# Altium PCB GN-1846-A-V2.PcbDoc (part 3 of 4) (continued)
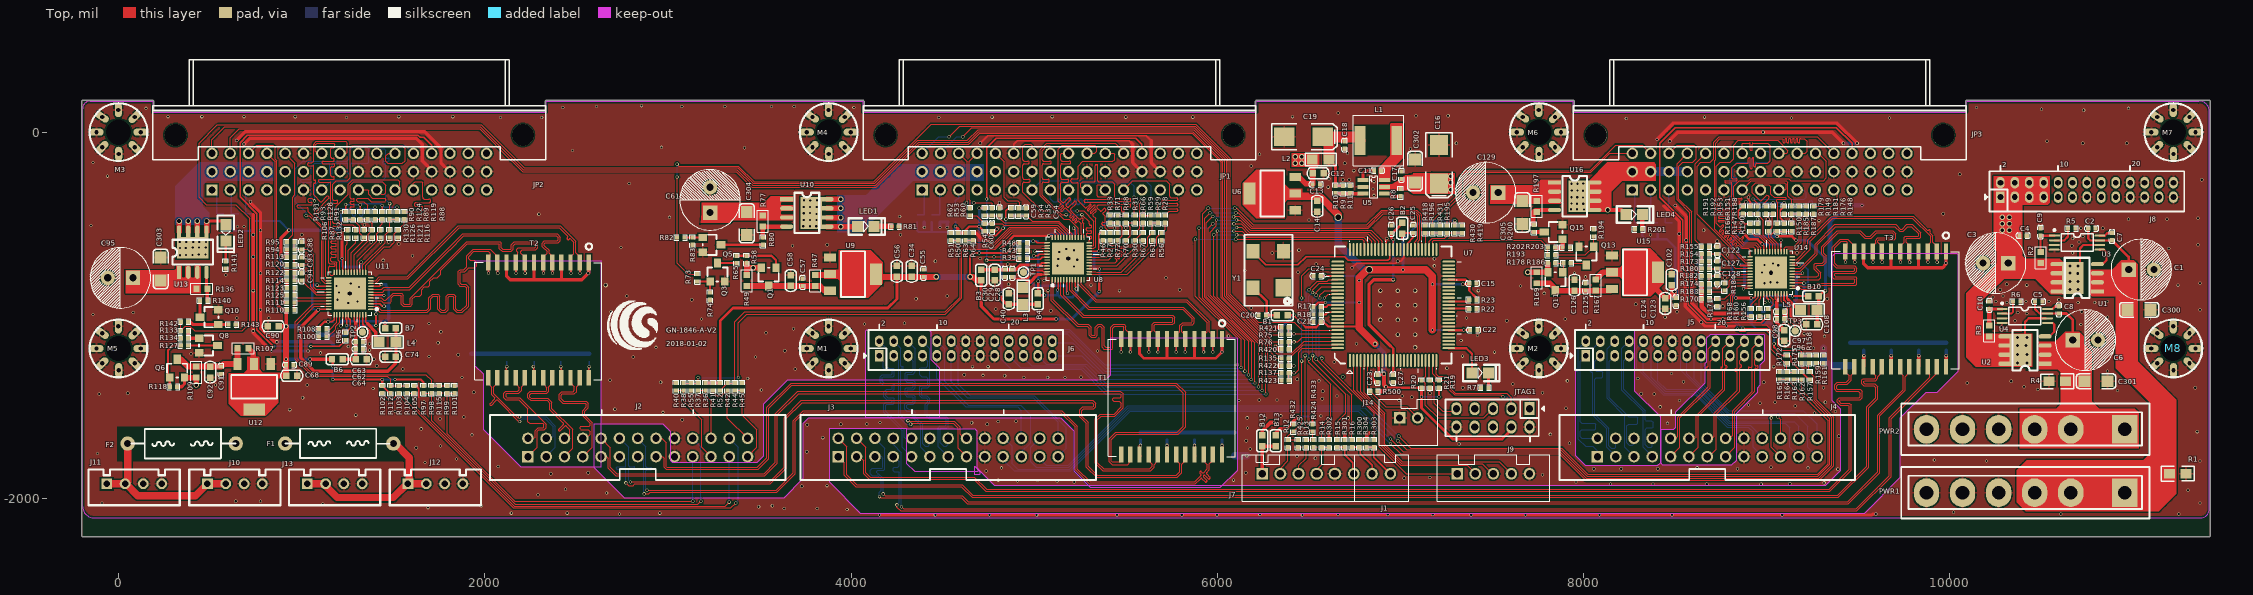
[diagram p0: Top view]
## Nets (pads, with @x,y where several pads share a name; then routed paths per layer and width w, separated by ;. In a path a pad name is that pad's centre, name@x,y a point inside that pad or via, vN(x,y) a via of type N, cw(c..) or ccw(c..) an arc to the next point about the centre after c; other vN are vias at no path point) (continued)
  Bottom w18: v1(835,-1195) v1(1035,-1195) ; v1(864,-1145) 1155.47,-1145 C77.2@1175,-1164.53 ; v1(4400,-520) R406.2@4400,-490 ; v1(4485,-520) R407.2@4485,-490 R408.2@4530,-490 4525,-495 v1(4525,-520) ; v1(9418.15,-60.84) v1(9493.15,-60.84)
  Bottom w25: 9345,-780 9345,-490 9435,-400 v1(9520,-400) ; 10116.1,-780 C3.2@10181.1,-715
  Bottom w40: C47.2@6095,-1766 v1(6160,-1766) ; v1(9310,-1180) 9310,-1245 9341,-1276 C121.2@9455,-1276
  other v1: 4460,-2089 4756,-2089 5013,-2089 5452,-2089 5805,-2089 5998,-2089 7386,-2089 7682,-2089 8087,-2089 8482,-2089 9084,-2089 6232,-2087.85 6659,-2088 6930,-2087.85 7176,-2087.85 2735,-2085 10605,-2085 11250,-2085 2145,-2080 2450,-2080 2955,-2080 10020,-2075 3978.15,-2060 3635,-2055 3815,-2055 1690,-2050 3495,-2045 1980,-2040 3570,-2040 1115,-2030 -90,-2025 11365,-2025 640,-2015 775,-2015 2290,-1980 2665,-1970 11300,-1955 2440,-1950 3730,-1932.85 3868.15,-1930 8672,-1921.85 8969,-1921.85 8147,-1921 8379,-1920.85 9125,-1919.85 9313.15,-1915 5218.15,-1910 7958.15,-1910 4908.15,-1904 5125,-1902.85 5018.15,-1902 4803.15,-1900 6088.15,-1900 7020,-1890 7160,-1885 7775,-1870 2360,-1865 2565,-1860 6155,-1860 4738.15,-1850 9388.15,-1840 8055,-1837.85 8205,-1837.85 8405,-1837.85 8840,-1837.85 4821,-1832.85 8620,-1832.85 9225,-1832.85 9023.15,-1830 2073.15,-1825 1673.15,-1804 10200,-1795 11365,-1795 9915,-1790 1845,-1785 6535,-1780 6435,-1770 -115,-1755 3758.15,-1745 6180,-1730 1626,-1722.85 1758.15,-1713 7320,-1702.85 7923.15,-1698 6158.15,-1685 3845,-1667.85 9393.15,-1660 1930,-1652.85 7818.15,-1650 11350,-1635 1653.15,-1620 6165,-1615 3760,-1597.85 3943.15,-1595 4743.15,-1595 4085,-1592.85 8458.15,-1590 4658.15,-1587 4158.15,-1585 4803.15,-1580 4900,-1577.85 3078.15,-1570 1755,-1565 6163.15,-1560 6258.15,-1560 6715,-1560 1885,-1555 6565,-1550 6346,-1549 1295,-1545 9260,-1535 2973.15,-1530 1510,-1525 9375,-1525 935,-1515 2710,-1512.85 7903.15,-1507 8418.15,-1500 9155,-1495 8900,-1490 8963.15,-1480 9045,-1475 9320,-1475 1668.15,-1470 1755,-1470 6118.15,-1465 8523.15,-1465 6993.15,-1464 6325,-1462.85 6228.15,-1462 6573.15,-1455 1005,-1450 7061,-1447.85 3125,-1440 6653.15,-1440 7010,-1440 -105,-1430 8385,-1430 8314.46,-1427.85 50,-1425 7775,-1422.85 1940,-1420 6575,-1415 10915,-1410 3510,-1407.85 10480,-1405 1390,-1400 7340,-1395 9310,-1395 11340,-1395 10405,-1390 530,-1380 1030,-1380 7613.15,-1375 7015,-1370 10095,-1370 2960,-1365 8983.15,-1365 8545,-1362.85 10335,-1360 6555,-1357.85 7911,-1357.85 2683.15,-1355 7063.15,-1355 6436,-1349 3435,-1345 8295,-1345 1875,-1340 4943.15,-1340 5073.15,-1340 5168.15,-1340 5255,-1337.85 4838.15,-1330 4720,-1327.85 4618.15,-1325 8480,-1317.85 7003.15,-1310 10860,-1305 1552,-1292.85 3695,-1292.85 7253.15,-1289 4663.15,-1280 4748.15,-1280 9038.15,-1280 1410,-1275 6638.15,-1255 9161.5,-1247.85 10840,-1245 1395,-1240 2810,-1227.85 3478.15,-1227 1695,-1225 7338,-1222.85 1855,-1215 395,-1210 1103.15,-1205 7513.15,-1201 5345,-1195 3638.15,-1193 1370,-1190 9255,-1180 2935,-1175 1255,-1170 9100,-1170 3160,-1165 1370,-1155 6760,-1155 1745,-1150 1620,-1140 7331,-1137.85 9315,-1115 6060,-1112.85 7420,-1110 9205,-1100 3535,-1095 1760,-1090 3685,-1072.85 10280,-1065 10715,-1050 4073.15,-1047 1695,-1045 9110,-1045 4291,-1042.85 7580,-1030 10355,-1030 10805,-1025 3183.15,-1020 7900,-1020 11090,-1020 645,-1015 820,-1015 7360,-1015 8445,-1010 10860,-1010 -140,-995 10420,-990 80,-985 10370,-985 2690,-980 8510,-980 10720,-980 5090,-975 11365,-970 4790,-965 6185,-960 8700,-950 8760,-950 8285,-940 1254,-932.85 10310,-930 10700,-930 10790,-930 1305,-925 10250,-925 10415,-925 10540,-925 10860,-925 1195,-915 3130,-915 10595,-915 4355,-910 9330,-910 10235,-900 2775,-895 4525,-895 10290,-895 7785,-880 1203.15,-876 5075,-865 5465,-865 7425,-865 5795,-860 10275,-860 4775,-850 1313.15,-845 8730,-845 1190,-840 7655,-840 5310,-835 10420,-835 11245,-835 4860,-830 10310,-830 1268.15,-826 8987.55,-825 11365,-825 9057.55,-820 9020.4,-819 5055,-810 5720,-795 8770,-795 8010,-790 585,-780 1025,-770 7950,-770 8974.55,-766.85 -145,-765 6440,-765 6150,-755 5216.85,-734.16 8765,-730 5126.85,-729.16 9062.55,-726.85 8987.55,-725 4855,-720 6540,-720 9033.55,-716.85 4460,-705 1445,-700 5235,-696.16 5130.85,-692.01 4705,-690 1025,-685 4780,-680 1605,-675 8785,-670 6300,-660 10670,-660 9165,-657.85 5136.85,-654.16 6445,-645 5216.85,-644.16 5175,-638.16 11195,-635 2743.15,-630 3680,-620 5590,-620 5695,-620 10665,-620 3870,-615 5645,-615 11355,-615 1530,-610 11045,-605 -65,-600 1380,-600 1430,-600 1475,-600 10705,-600 8730,-595 6925,-580 10670,-580 10725,-570 1000,-560 4270,-560 8365,-560 8655,-535 5438.15,-525 10715,-525 10835,-525 5500,-522.85 650,-515 685,-515 -150,-510 1343.15,-505 9285,-482.85 6500,-480 7070,-480 9133.15,-475 10975,-475 11185,-475 11355,-470 3008.15,-465 4265,-460 2295,-447.85 9963.15,-445 6855,-345 6850,-310 6605,-300 2788.15,-280 6855,-270 6685,-260 6720,-260 11375,-260 6610,-255 -60,-240 10053.15,-230 6745,-210 7010,-190 6185,-185 6695,-170 -140,-165 6230,-120 6710,-115 2478.15,-100 7055,-90 3418.15,-85 2965,-82.85 7305,-60 10725,-60 10965,-60 10530,-50 8233.15,75 9135,77.15 9670,77.15 1245,80 2085,80 2310,80 4478.15,80 4770,82.15 5500,82.15 5865,82.15 8660,82.15 270,85 455,85 685,85 965,85 1530,85 1825,85 5098.15,85 6410,85 7085,90 7260,90 6660,105 10730,120 10500,125 150,130 10975,130 2425,135 4015,135 10145,135 2610,140 3075,140 3310,140 3565,140 3690,140 2855,145
  other v2: 7080,-1175 6985,-1105 7080,-1105 6890,-1025 6985,-1025 7080,-1025 6890,-945 6985,-945 7080,-945 6890,-865 7080,-865 2660,-835
  other v5: 6985,-865
IO1: J1.4 J7.4 R14.2 R302.2 | length 195.4
  Top w6: J1.4@6545,-1865 6545,-1840 6570,-1815 R14.2@6570,-1720 R302.2@6610,-1720
IO2: J1.6 R15.2 R301.2 | length 205.7
  Top w8: R15.2@6655,-1720 R301.2@6695,-1720 6695,-1760 6740,-1805 6740,-1860 J1.6@6745,-1865
IO3: J1.7 R16.2 R300.2 | length 216.9
  Top w8: R16.2@6735,-1720 6780,-1720 6780,-1755 6845,-1820 J1.7@6845,-1865
MAC_MDC: C59.2 R53.1 R60.2 U8.30 | length 531.4
  Top w5: R53.1@4730,-455 C59.2@4810,-455 4810,-470 4835,-495 5130,-495 5192.87,-557.87 U8.30@5192.87,-575.04
MAC_MDIO: C60.2 R54.1 R62.2 U8.31 | length 587.3
  Top w5: R62.2@4650,-455 4685,-455 R54.1@4730,-500 4825,-500 4833.5,-508.5 5128.5,-508.5 5177.13,-557.13 U8.31@5177.13,-575.04
NetB3_1: B3.1 C28.1 C29.1 C30.1 U8.44 U8.45 | length 443
  Top w10: U8.45@5070.04,-729.37 5034.37,-729.37 5030,-725 5040,-715 5040,-713.62 U8.44@5070.04,-713.62
  Top w18: B3.1@4710,-750.47 4810,-750.47 ; C30.1@4785,-750.47 4810,-750.47 ; 5030,-725 4925,-725 4899.53,-750.47 4810,-750.47
NetB4_2: B4.2 C38.1 C39.1 C40.1 L3.1 U8.28 U8.36 | length 1041.9
  Top w8: v1(5080,-565) 5098.39,-565 U8.36@5098.39,-575.04 ; v1(5215,-525) 5224.37,-534.37 U8.28@5224.37,-575.04
  Top w15: v1(4820,-885) 4820,-910 4849.53,-939.53 C40.1@4860,-939.53 ; v1(4820,-635) 4890,-565 v1(5080,-565)
  Top w18: C40.1@4860,-939.53 B4.2@5020,-939.53
  Bottom w15: v1(4820,-885) v1(4820,-635) ; v1(5080,-565) 5090,-555 C38.1@5110,-555 C39.1@5225,-555 5225,-535 v1(5215,-525)
NetB6_1: B6.1 C62.1 C63.1 C64.1 U11.44 U11.45 | length 368.6
  Top w8: U11.44@1286.77,-995.8 1286.77,-1031.77 1295,-1040 ; 1295,-1042.52 1302.52,-1035 U11.45@1302.52,-995.8
  Top w18: B6.1@1224.53,-1240 C64.1@1295.47,-1240 1295,-1239.53 1295,-1042.52 1295,-1040
NetB7_2: B7.2 C72.1 C73.1 C74.1 L4.1 U11.28 U11.36 | length 1373.3
  Top w8: v1(1090,-970) 1092.55,-967.45 U11.36@1148.19,-967.45
  Top w10: v1(1085,-835) 1091.47,-841.47 U11.28@1148.19,-841.47
  Top w18: v1(1090,-970) 995,-1065 995,-1232.52 1067.48,-1305 1470,-1305 1514.53,-1260.47 C74.1@1514.53,-1225 ; C74.1@1514.53,-1220 1515,-1219.53 L4.1@1515,-1145 1514.53,-1144.53 B7.2@1514.53,-1070
  Bottom w8: C72.1@1057.68,-965.84 1058.52,-965 1065,-965 1070,-970 v1(1090,-970)
  Bottom w10: C73.1@1057.68,-835.84 C73.1@1058.52,-835
  Bottom w15: C72.1@1057.68,-965.84 C73.1@1057.68,-835.84
  Bottom w16: C73.1@1058.52,-835 v1(1085,-835)
NetB9_1: B9.1 C96.1 C97.1 C98.1 U14.44 U14.45 | length 423
  Top w10: U14.44@9047.01,-881.81 9047.5,-882.3 9047.5,-910.49 9062.76,-925.75 U14.45@9062.76,-881.81
  Top w18: v1(9055,-1080) C98.1@9094.53,-1080 ; C97.1@9055,-980 9055,-960 ; 9055,-925 9055,-960 ; C98.1@9095,-1080.47 C98.1@9094.53,-1080 ; 9055,-960 C96.1@9055,-1020 9055,-1040.47 C98.1@9094.53,-1080
  Bottom w18: B9.1@8974.53,-1040 9015,-1040 v1(9055,-1080)
NetB10_2: B10.2 C106.1 C107.1 C108.1 L5.1 U14.28 U14.36 | length 1267
  Top w8: v1@8872.55,-853.46 U14.36@8908.43,-853.46
  Top w10: 8855.03,-727.48 U14.28@8908.43,-727.48
  Top w15: v1(9056.5,-570) 9058,-568.5 9138.5,-568.5 v1(9160,-590) ; B10.2@9290,-895 B10.2@9284.53,-895 9314.53,-865 v1(9320,-865)
  Top w18: C108.1@9274.53,-1050 9275,-1049.53 L5.1@9275,-970 ; L5.1@9282.5,-977.5 9284.53,-975.47 B10.2@9284.53,-905
  Bottom w10: v1(8847.55,-720) 8868.02,-720 C106.1@8878.02,-730
  Bottom w15: v1(8847.55,-720) 8847.55,-637.45 8915,-570 v1(9056.5,-570) ; v1(8872.55,-855) 8878.02,-849.53 C106.1@8878.02,-730 ; v1(9160,-590) 9220,-590 9320,-690 v1(9320,-865)
NetB12_1: B12.1 B13.1 J1.1 J7.1 | length 225.5
  Top w20: J1.1@6245,-1865 B12.1@6245,-1714.53 B13.1@6320,-1714.53
NetC7_2: C7.2 U3.8 | length 73
  Top w12: U3.8@10818.26,-565.05 10844.95,-565.05 10860,-550 C7.2@10885,-550
NetC8_2: C8.2 U4.8 | length 68
  Top w12: U4.8@10533.26,-965.05 10559.95,-965.05 10575,-950 C8.2@10595,-950
NetC9_1: C9.1 R2.2 U3.1 | length 165.3
  Top w12: R2.2@10495,-655 C9.1@10495,-565 C9.1@10495,-565 U3.1@10570.23,-565.05
NetC10_1: C10.1 R3.2 U4.1 | length 160.2
  Top w15: C10.1@10215,-965 U4.1@10285.23,-965.05
  Top w24: R3.2@10215,-1055 C10.1@10215,-965
NetC11_1: C11.1 U5.1 | length 102.2
  Top w18: U5.1@6794.6,-260.78 6794.6,-225.4 6810,-210 C11.1@6855,-210
NetC11_2: C11.2 L1.1 U5.6 | length 322
  Top w5: L1.1@6988.18,-63.18 6988.18,11.73 L1.1@6988.56,12.11
  Top w24: C11.2@6895,-215 6895,-260 U5.6@6895.78,-260.78 ; C11.2@6895,-210 6979.9,-125.1 L1.1@6979.9,-44.71
NetC18_1: C18.1 C19.1 L1.2 L2.1 R9.1 R10.1 | length 560.4
  Top w5: L1.2@6763.66,-23.18 6798.95,12.11 L1.2@6787.77,12.11
  Top w15: L2.1@6610,-150 6645.51,-185.51 R10.1@6645.51,-292.35 R9.1@6685.51,-292.35
  Top w60: L2.1@6610,-150 6610,-25 6759.41,-25 L1.2@6779.12,-44.71
NetC44_1: C44.1 T1.1 T1.4 T1.7 T1.10 | length 859.7
  Top w15: T1.10@5575,-1140.04 5575,-1210 5600,-1235 5725,-1235 ; T1.7@5725,-1140.04 5725,-1235 ; T1.4@5875,-1140.04 5875,-1235 ; T1.1@6025,-1140.04 v1(6025,-1200) 5990,-1235 5875,-1235 ; 5725,-1235 5875,-1235
  Bottom w15: v1(6025,-1200) C44.1@6025,-1135
NetC47_1: C47.1 R24.2 R25.2 R26.2 R32.2 | length 515
  Bottom w24: R24.2@5580,-1640 C47.1@6095,-1640
NetC54_2: C54.2 R34.2 R35.2 U8.29 | length 388
  Top w5: R34.2@4880,-455 4960,-455 4990,-485 5135,-485 5208.62,-558.62 U8.29@5208.62,-575.04
NetC86_1: C86.1 T2.1 T2.4 T2.7 T2.10 | length 844.5
  Top w18: T2.10@2118.15,-710.88 2118.15,-785 2138.15,-805 2268.15,-805 ; T2.7@2268.15,-710.88 2268.15,-805 ; T2.4@2418.15,-710.88 2418.15,-805 ; T2.1@2568.15,-710.88 2568.15,-766.85 v1(2565,-770) 2530,-805 2418.15,-805 ; 2268.15,-805 2418.15,-805
  Bottom w18: v1(2565,-770) 2570,-765 C86.1@2570,-720
NetC87_1: C87.1 R84.2 R85.2 R86.2 R92.2 | length 645
  Bottom w24: C87.1@1925,-1210 R92.2@2570,-1210
NetC88_2: C88.2 R94.2 R95.2 U11.29 | length 421.2
  Top w5: R95.2@960,-600 R94.2@960,-640 C88.2@1000,-640 1035,-640 1065,-670 1065,-845.86 1076.36,-857.22 U11.29@1148.19,-857.22
NetC112_1: C112.1 T3.1 T3.4 T3.7 T3.10 | length 821.3
  Top w18: T3.10@9528.15,-650.88 9528.15,-718.15 9550,-740 9678.15,-740 ; T3.7@9678.15,-650.88 9678.15,-740 ; T3.4@9828.15,-650.88 9828.15,-740 ; v1(9977.7,-714.08) v1@9977.7,-722.3 ; T3.1@9978.15,-650.88 9978.15,-721.85 v1@9977.7,-722.3 ; 9678.15,-740 9828.15,-740 ; 9828.15,-740 9960,-740 v1@9977.7,-722.3
  Bottom w18: v1(9977.7,-714.08) 9977.7,-687.3 C112.1@9980,-685
NetC121_1: C121.1 R144.2 R145.2 R146.2 R152.2 | length 525
  Bottom w25: C121.1@9455,-1150 R152.2@9980,-1150
NetC122_2: C122.2 R154.2 R155.2 U14.29 | length 295.8
  Top w5: R155.2@8685,-625 R154.2@8685,-665 C122.2@8730,-665 8750,-665 8828.23,-743.23 U14.29@8908.43,-743.23
NetF1_2: F1.2 J12.1 J12.2 J13.1 J13.2 | length 961.8
  Top w40: J13.1@1045.3,-1919.72 J13.2@1130.3,-1919.72 1130.3,-1930.3 1195,-1995 1500,-1995 1567.78,-1927.22 1580.3,-1927.22 J12.1@1587.8,-1927.22 ; F1.2@1500.55,-1700 1510,-1700 1587.8,-1777.8 J12.1@1587.8,-1912.22 ; J12.1@1580.3,-1919.72 J12.2@1680.3,-1919.72
NetF2_2: F2.2 J10.1 J10.2 J11.1 J11.2 | length 932.6
  Top w40: J11.1@-59.7,-1919.72 J11.2@35.3,-1919.72 J11.2@40.3,-1919.72 ; F2.2@49.45,-1700 49.45,-1910.57 J11.2@40.3,-1919.72 ; J10.2@595.3,-1919.72 J10.2@585.3,-1919.72 495.3,-1919.72 490.3,-1924.72 485.3,-1924.72 480.28,-1924.72 420,-1985 105.58,-1985 J11.2@40.3,-1919.72
NetJ1_8: J1.8 R303.2 R304.2 | length 222.3
  Top w8: R304.2@6815,-1720 R303.2@6855,-1720 6855,-1775 J1.8@6945,-1865
NetJ2_19: J2.19 R99.2 R101.2 | length 1998.1
  Top w5: R101.2@1835,-1425 R99.2@1795,-1425 1795,-1647.57 2162.43,-2015 v1(3135,-2015)
  Bottom w5: v1(3135,-2015) J2.19@3135,-1771.65
NetJ2_20: J2.20 R97.2 R98.2 | length 2223.9
  Top w5: R97.2@1665,-1425 R98.2@1710,-1425 1710,-1576.72 2164.78,-2031.5 3163.5,-2031.5 v1(3180,-2015)
  Bottom w5: J2.20@3135,-1671.65 3180,-1716.65 v1(3180,-2015)
NetJ2_21: J2.21 R38.2 R40.2 | length 463.8
  Top w5: R40.2@3045,-1410 R38.2@3085,-1410 3085,-1470 3185,-1570 3185,-1721.65 J2.21@3235,-1771.65
NetJ2_22: J2.22 R36.2 R37.2 | length 314.1
  Top w5: R37.2@3165,-1410 R36.2@3205,-1410 3205,-1440 3235,-1470 J2.22@3235,-1671.65
NetJ2_23: J2.23 R104.2 R105.2 | length 2314.1
  Top w5: R104.2@1575,-1425 R105.2@1615,-1425 1615,-1495.86 2160.64,-2041.5 3313.5,-2041.5 v1(3335,-2020)
  Bottom w5: v1(3335,-2020) J2.23@3335,-1771.65
NetJ2_24: J2.24 R102.2 R103.2 | length 2605.6
  Top w5: R102.2@1440,-1425 1470,-1455 1500,-1455 R103.2@1530,-1425 2156.5,-2051.5 3343.5,-2051.5 v1(3370,-2025)
  Bottom w5: J2.24@3335,-1671.65 3385,-1721.65 3385,-2010 v1(3370,-2025)
NetJ2_25: J2.25 R44.2 R45.2 | length 455.5
  Top w5: R44.2@3365,-1410 R45.2@3405,-1410 3405,-1545 3485,-1625 3485,-1721.65 J2.25@3435,-1771.65
NetJ2_26: J2.26 R41.2 R42.2 | length 417.9
  Top w5: R41.2@3245,-1410 3245,-1420 3265,-1440 3295,-1440 R42.2@3325,-1410 3325,-1561.65 J2.26@3435,-1671.65
NetJ3_19: J3.19 R159.2 R161.2 | length 5542.1
  Top w5: v1(6945,-1700) 7000,-1755 7865.86,-1755 8010.86,-1900 9287.43,-1900 9365,-1822.43 9365,-1555.86 9270,-1460.86 R159.2@9270,-1260 R161.2@9310,-1260
  Bottom w5: J3.19@4830,-1771.65 4830,-1790 4890,-1850 5199.14,-1850 5524.14,-1525 6770,-1525 v1(6945,-1700)
NetJ3_20: J3.20 R157.2 R158.2 | length 5575.1
  Top w5: v1(6945,-1675) 7015,-1745 7870,-1745 8015,-1890 9283.28,-1890 9355,-1818.28 9355,-1560 9260,-1465 9260,-1335 R157.2@9235,-1310 9230,-1305 R158.2@9230,-1260
  Bottom w5: J3.20@4830,-1671.65 4836.65,-1671.65 4880,-1715 4880,-1810 4910,-1840 5195,-1840 5520,-1515 6780,-1515 v1@6940,-1675
NetJ3_23: J3.23 R164.2 R165.2 | length 5238.4
  Top w5: v1(6990,-1660) 7055,-1725 7880,-1725 8022,-1867 9278,-1867 9335,-1810 9335,-1575 R164.2@9110,-1350 R165.2@9070,-1350
  Bottom w5: J3.23@5030,-1771.65 5030,-1785 5065,-1820 5185,-1820 5510,-1495 6825,-1495 v1(6990,-1660)
NetJ3_24: J3.24 R162.2 R163.2 | length 5412.1
  Top w5: v1(6985,-1685) 7035,-1735 7875,-1735 8020,-1880 9279.14,-1880 9345,-1814.14 9345,-1565 9190,-1410 R162.2@9190,-1350 R163.2@9150,-1350
  Bottom w5: J3.24@5030,-1671.65 4980,-1721.65 4980,-1800 5010,-1830 5189.14,-1830 5514.14,-1505 6805,-1505 v1(6985,-1685)
NetJ6_18: J6.18 U7.69 | length 3546.6
  Top w5: v1(6000,-540) 6000,-901.86 6265,-1166.86 v1(6265,-1430) ; v1(6090,-540) 6135,-540 6160,-565 6811.7,-565 6841.7,-595 U7.69@6841.7,-640.27
  Bottom w5: J6.18@4783.47,-1141.73 4820,-1178.27 4820,-1240 4875.79,-1295.79 5255.79,-1295.79 5390,-1430 v1(6265,-1430) ; v1(6000,-540) v1(6090,-540)
NetJ6_19: J6.19 U7.70 | length 3322.7
  Top w5: v1(5980,-560) 5980,-896.01 6245,-1161.01 v1(6245,-1410) ; v1(6105,-560) 6135,-560 6150,-575 6800,-575 6822.01,-597.01 U7.70@6822.01,-640.27
  Bottom w5: J6.19@4862.21,-1220.47 4862.21,-1222.21 4925.79,-1285.79 5265.79,-1285.79 5390,-1410 v1(6245,-1410) ; v1(5980,-560) v1(6105,-560)
NetJ6_20: J6.20 U7.71 | length 3122.2
  Top w5: v1(5880,-585) 5880,-895 6110,-1125 v1(6110,-1270) ; v1(6100,-585) 6792.33,-585 6802.33,-595 U7.71@6802.33,-640.27
  Bottom w5: J6.20@4862.21,-1141.73 4862.21,-1117.79 4905,-1075 5190,-1075 5385,-1270 v1(6110,-1270) ; v1(5880,-585) v1(6100,-585)
NetJ6_21: J6.21 U7.66 | length 3397.9
  Top w5: v1(5995,-480) 5995,-510 5960,-545 5960,-890.15 6225,-1155.15 v1(6225,-1390) ; v1(6105,-480) 6125,-480 6180,-535 6840,-535 6900.75,-595.75 U7.66@6900.75,-640.27
  Bottom w5: J6.21@4940.95,-1220.47 4940.95,-1230.95 4985.79,-1275.79 5275.79,-1275.79 5390,-1390 6115,-1390 ; v1(5995,-480) v1(6105,-480) ; 6120,-1390 6115,-1390 ; v1(6225,-1390) 6115,-1390
NetJ6_22: J6.22 U7.68 | length 3196.7
  Top w5: v1(5900,-525) 5900,-900.86 6130,-1130.86 v1(6130,-1285) ; v1(6105,-520) 6132,-520 6167,-555 6821.38,-555 6861.38,-595 U7.68@6861.38,-640.27
  Bottom w5: J6.22@4940.95,-1141.73 4940.95,-1119.05 4970,-1090 5190,-1090 5390,-1290 v1@6125,-1290 ; v1(5900,-525) 5903.5,-521.5 6103.5,-521.5 v1(6105,-520)
NetJ6_23: J6.23 U7.67 | length 3223.9
  Top w5: v1(5975,-500) 5950,-525 5950,-894.29 6205,-1149.29 v1(6205,-1370) ; v1(6090,-500) 6130,-500 6175,-545 6831.07,-545 6881.07,-595 U7.67@6881.07,-640.27
  Bottom w5: J6.23@5019.69,-1220.47 5065,-1265.79 5285.79,-1265.79 5390,-1370 v1(6205,-1370) ; v1(5975,-500) v1(6090,-500)
NetJ6_24: J6.24 U7.55 | length 3672.9
  Top w5: v1(5950,-415) 5920,-445 5920,-906.72 6150,-1136.72 v1(6150,-1305) ; v1(6095,-415) 6105,-415 6195,-505 6816.72,-505 6896.72,-425 7088.28,-425 7115,-451.72 7115,-637.98 U7.55@7117.29,-640.27
  Bottom w5: J6.24@5019.69,-1141.73 5019.69,-1130.31 5050,-1100 5180,-1100 5385,-1305 v1(6150,-1305) ; v1(5950,-415) v1(6095,-415)
NetJ6_25: J6.25 U7.57 | length 3521.6
  Top w5: v1(5975,-460) 5940,-495 5940,-898.43 6186.5,-1144.93 6186.5,-1348.5 v1(6185,-1350) ; v1(6088.74,-461.26) 6090,-460 6120,-460 6185,-525 6825,-525 6905,-445 7080,-445 7095,-460 7095,-583.15 7077.92,-600.23 U7.57@7077.92,-640.27
  Bottom w5: J6.25@5098.43,-1220.47 5260.47,-1220.47 5390,-1350 v1(6185,-1350) ; v1@5975,-461.26 v1(6088.74,-461.26)
NetJ6_26: J6.26 U7.56 | length 3554.6
  Top w5: v1(5960,-440) 5930,-470 5930,-902.57 6170,-1142.57 v1(6170,-1325) v1@6170,-1330 ; v1(6100,-440) 6115,-440 6190,-515 6820.86,-515 6900.86,-435 7084.14,-435 7105,-455.86 7105,-587.29 7097.6,-594.68 U7.56@7097.6,-640.27
  Bottom w5: J6.26@5098.43,-1141.73 5106.69,-1150 5210,-1150 5385,-1325 v1(6170,-1325) ; v1(5960,-440) v1(6100,-440)
NetJ9_1: J9.1 U7.2 | length 1040.7
  Top w5: U7.2@6743.27,-1246.56 6743.27,-1408.27 6885,-1550 6885,-1717.43 7032.57,-1865 J9.1@7310,-1865 J9.1@7310,-1890
NetJ9_2: J9.2 U7.3 | length 1122.7
  Top w5: U7.3@6762.96,-1246.56 6762.96,-1412.96 6895,-1545 6895,-1713.28 7001.72,-1820 7363.43,-1820 J9.2@7408.43,-1865 J9.2@7408.43,-1890
NetJ9_3: J9.3 U7.4 | length 1204.7
  Top w5: U7.4@6782.64,-1246.56 6782.64,-1417.64 6905,-1540 6905,-1709.14 7005.86,-1810 7446.85,-1810 7501.85,-1865 J9.3@7506.85,-1865 J9.3@7506.85,-1890
NetJ9_4: J9.4 U7.5 | length 1286.7
  Top w5: U7.5@6802.33,-1246.56 6802.33,-1422.33 6915,-1535 6915,-1705 7010,-1800 7540.28,-1800 J9.4@7605.28,-1865 J9.4@7605.28,-1890
NetJ14_2: J14.2 R500.1 U7.6 | length 513.2
  Top w5: U7.6@6822.01,-1246.56 6822.01,-1402.01 R500.1@6835,-1415 6920,-1500 7035,-1500 7093.43,-1558.43 J14.2@7093.43,-1580
NetJP1_A1: JP1.A1 R75.1 | length 2928.7
  Top w5: v1(4535,-25) 4593.16,33.16 5878.41,33.16 6060,-148.43 6060,-888.43 6276.57,-1105 R75.1@6350,-1105
  Bottom w5: JP1.A1@4387.8,-115.41 4478.2,-25 v1(4535,-25)
NetJP1_A2: JP1.A2 R76.1 | length 2840.1
  Top w5: v1(4610,-25) 4658.16,23.16 5874.27,23.16 6050,-152.57 6050,-892.57 6302.43,-1145 R76.1@6350,-1145
  Bottom w5: JP1.A2@4490,-113.2 JP1.A2@4487.8,-115.41 4578.2,-25 v1(4610,-25)
NetJP1_B1: JP1.B1 JP1.B2 JP1.B3 JP1.B4 LED1.A U10.5 U10.6 U10.7 U10.8 U10.9 | length 1172.9
  Top w30: U10.5@3868.62,-515.84 v3(3943.15,-515.84) 4034.1,-515.84 LED1.A@4035.32,-514.61 ; U10.6@3868.62,-465.84 v3(3943.15,-465.84) ; U10.7@3868.62,-415.84 v3(3943.15,-415.84) ; U10.8@3868.62,-365.84 v3(3943.15,-365.84)
  Bottom w5: v3(3943.15,-365.84) 4157.72,-365.84 4248.15,-275.41 ; 4248.15,-215.41 JP1.B2@4487.8,-215.41 JP1.B3@4587.8,-215.41 JP1.B4@4687.8,-215.41
  other v1: 3739,-514 3775,-514 3810,-514 3741,-480 3775,-480 3811,-480 3811,-446 3741,-443 3775,-442 3812,-409 3741,-408 3776,-408 3777,-373 3742,-372 3813,-372
NetJP1_C1: JP1.C1 R406.1 R411.1 | length 179.6
  Bottom w8: R411.1@4360,-450 R406.1@4400,-450 4400,-327.61 JP1.C1@4387.8,-315.41
NetJP1_C2: JP1.C2 R407.1 R410.1 | length 180.8
  Bottom w8: R410.1@4440,-450 R407.1@4485,-450 4485,-318.2 JP1.C2@4487.8,-315.41
NetJP1_C3: JP1.C3 R408.1 R409.1 | length 182
  Bottom w8: R408.1@4530,-450 R409.1@4570,-450 4570,-375 4587.8,-357.2 JP1.C3@4587.8,-315.41
NetJP2_A1: JP2.A1 R135.1 | length 7166.6
  Top w5: JP2.A1@509.84,-115.13 509.84,-40.16 579,29 1976,29 2150,-145 2150.86,-145 2210.86,-205 3376.72,-205 3461.72,-290 4133.28,-290 4368.28,-55 4639.14,-55 4697.3,3.16 5865.99,3.16 6030,-160.86 6030,-900.86 6286,-1156.86 6286,-1196 6325,-1235 R135.1@6350,-1235
NetJP2_A2: JP2.A2 R137.1 | length 7151.7
  Top w5: JP2.A2@609.84,-115.13 609.84,-30.16 659,19 1971,19 2145,-155 2146.72,-155 2206.72,-215 3372.57,-215 3457.57,-300 4137.43,-300 4372.43,-65 4643.28,-65 4701.44,-6.84 5861.84,-6.84 6020,-165 6020,-905 6275.15,-1160.15 6275.15,-1292.15 6298,-1315 R137.1@6350,-1315
NetJP2_B1: JP2.B1 JP2.B2 JP2.B3 JP2.B4 LED2.A U13.5 U13.6 U13.7 U13.8 U13.9 | length 998.6
  Top w18: v3(480.24,-485.21) 565.27,-485.21 LED2.A@585.39,-505.32
  Top w30: U13.8@330.24,-544.74 v3(330.24,-485.21) ; U13.7@380.24,-544.74 v3(380.24,-485.21) ; U13.6@430.24,-544.74 v3(430.24,-485.21) ; U13.5@480.24,-544.74 v3(480.24,-485.21)
  Bottom w5: v3(380.24,-485.21) 380.24,-305.13 470.24,-215.13 609.84,-215.13 709.84,-215.13 JP2.B4@809.84,-215.13
  other v1: 335,-672 368,-670 403,-670 438,-668 475,-668 335,-632 367,-632 405.04,-630.37 439,-629 476,-629 370,-600 408,-600 334,-599 441,-599 478,-599
NetJP2_C1: JP2.C1 R403.1 R414.1 | length 179.9
  Bottom w8: JP2.C1@509.84,-315.52 535,-340.68 R403.1@535,-445 R414.1@575,-445
NetJP2_C2: JP2.C2 R404.1 R413.1 | length 171.8
  Bottom w8: JP2.C2@610,-315.68 JP2.C2@609.84,-315.52 615,-320.68 R413.1@615,-445 R404.1@655,-445
NetJP2_C3: JP2.C3 R405.1 R412.1 | length 175.6
  Bottom w8: JP2.C3@709.84,-315.52 695,-330.37 R405.1@695,-445 R412.1@735,-445
NetJP3_A1: JP3.A1 R195.1 | length 1280.7
  Top w5: R195.1@7255,-510 7255,-420 7331,-344 7331,-252.14 7363.14,-220 8039.14,-220 8143.62,-115.52 JP3.A1@8265.75,-115.52
NetJP3_A2: JP3.A2 R196.1 | length 1459.8
  Top w5: R196.1@7175,-510 7175,-483 7321,-337 7321,-248 7359,-210 8035,-210 8175,-70 8320.22,-70 JP3.A2@8365.75,-115.52
NetJP3_B1: JP3.B1 JP3.B2 JP3.B3 JP3.B4 LED4.A U16.5 U16.6 U16.7 U16.8 U16.9 | length 1007.7
  Top w5: U16.6@8056.15,-374.84 U16.6@8061.62,-374.84
  Top w20: v3(8131.15,-424.84) 8131.15,-374.84 8131.15,-324.84 8131.15,-274.84 8190.47,-215.52 JP3.B2@8365.75,-215.52
  Top w24: U16.6@8056.15,-374.84 8131.15,-374.84 ; U16.5@8061.62,-424.84 v3(8131.15,-424.84) 8205.55,-424.84 LED4.A@8230.32,-449.61 ; U16.7@8061.62,-324.84 8131.15,-324.84 ; U16.8@8061.62,-274.84 8131.15,-274.84
  Bottom w50: JP3.B2@8365.75,-215.13 8465.75,-215.13 JP3.B4@8565.75,-215.13
  other v1: 8002,-422 7931,-421 7963,-421 7964,-391 7998,-391 7933,-390 7996,-356 7934,-355 7965,-355 7996,-320 7966,-319 7935,-318 7933,-281 7967,-281 7998,-280
NetJP3_C1: JP3.C1 R400.1 R417.1 | length 225.4
  Bottom w8: JP3.C1@8265.75,-315.52 8280,-329.78 R400.1@8280,-495 R417.1@8320,-495
NetJP3_C2: JP3.C2 R401.1 R416.1 | length 219.8
  Bottom w8: JP3.C2@8365.75,-315.52 8365.75,-494.25 R401.1@8365,-495 R416.1@8405,-495
NetJP3_C3: JP3.C3 R402.1 R415.1 | length 228.1
  Bottom w8: JP3.C3@8465.75,-315.52 8465.75,-424.25 8445,-445 R415.1@8445,-495 R402.1@8485,-495
NetJTAG1_1: JTAG1.1 R19.2 U7.24 | length 758.7
  Top w5: U7.24@7176.34,-1246.56 7176.34,-1318.66 7195,-1337.31 7195,-1355 R19.2@7210,-1355 ; 7225,-1355 R19.2@7210,-1355 ; v1(7560,-1445) 7558,-1445 7548,-1435 7294.86,-1435 7265,-1405.14 7265,-1364.14 7255.86,-1355 R19.2@7210,-1355
  Bottom w5: v1(7560,-1445) 7690,-1445 7705,-1460 JTAG1.1@7705,-1510